# KiCad board pmi_2023.kicad_pcb (continued)
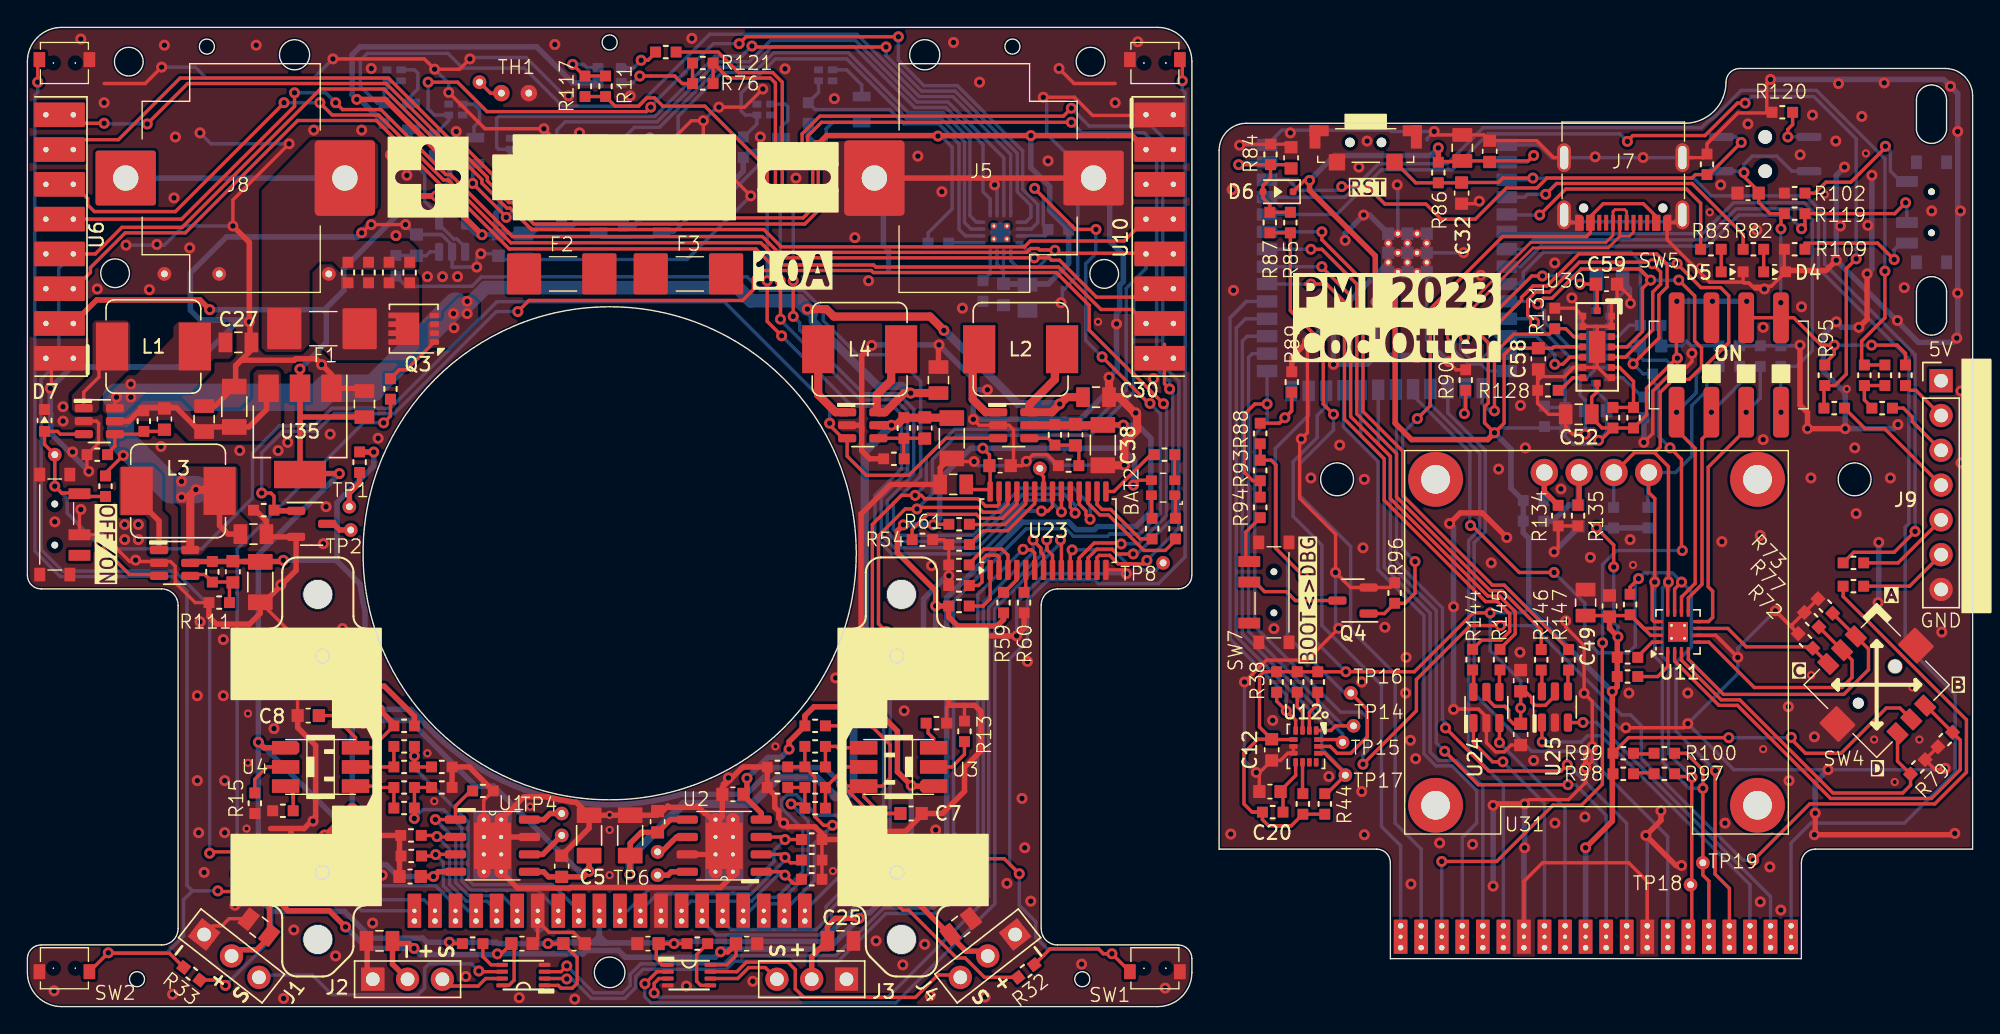
[diagram p0: board, top side]
## Routing (per net, layer and track width the routed paths; a pad name or vN(x,y) marks a point on that pad's centre or on a via; arc(x,y) is an arc through that point) (continued)
+5V: length 164.1
  Top w0.25: C21.1 51.72,3.72 51.05,3.05 U17.8 ; v1(34.3,3.85) 34.58,3.85 35.53,4.8 35.53,1.93 35.15,1.55 U21.8
  Top w0.4: v1(28.22,4.25) 27.88,4.6 26.65,4.6 26.65,3.1 J2.2 ; v1(79.99,42.46) 79.97,42.47 C38.1 ; C21.1 51.12,4 v1(50.6,4) ; v1(23.7,23.4) 26.05,23.4 28.25,21.2 R29.2 ; v1(21.69,12.53) 21.75,12.53 v1(23.71,14.48) ; v1(23.22,5.82) 22.04,7 19.03,7 v1(18.3,7.72) 18.12,7.72 17.67,7.27 17.67,5.08 16.74,4.15 15.35,4.15 15.3,4.1 ; J3.2 57.25,3.65 C25.1 58.4,5.85 59,6.45 v1(60.71,6.45) ; 69.7,4.1 69.65,4.05 68.5,4.05 68.5,4.06 64.66,7.9 v1(64,7.9)
  Top w0.6: C38.1 78.47,42.45 U29.5
  Bottom w0.4: v1(79.99,42.46) 81.04,42.46 82.01,41.49 82.01,36.16 80.91,35.06 78.11,35.06 77.88,34.83 76.55,34.83 76,35.38 72.63,35.38 67.1,29.84 67.1,11 v1(64,7.9) 62.53,7.9 61.48,6.85 61.11,6.85 v1(60.71,6.45) 58.46,4.2 50.8,4.2 v1(50.6,4) 50.2,3.6 43.65,3.6 43.15,4.1 40.8,4.1 40.55,3.85 v1(34.3,3.85) 34.25,3.8 28.68,3.8 v1(28.22,4.25) 24.8,4.25 23.22,5.83 v1(23.22,5.82) ; v1(18.3,7.72) 18.3,9.07 21.69,12.46 v1(21.69,12.53) ; v1(23.7,23.4) 23.71,23.39 v1(23.71,14.48)
/boards interface/com/vbatt_mon_3.45V: length 59.1
  Top w0.25: 92.38,50.64 92.19,50.83 R85.2 R87.2 ; 92.38,50.64 92.24,50.78 ; 92.38,50.64 94.59,48.43 94.59,44 v1(95.34,43.25)
  Bottom w0.25: v1(95.34,43.25) 95.34,42.1 92.87,39.63 92.87,37.32 96.59,33.6 96.59,27.54 99.84,24.29 99.84,13.4 101.74,11.5 J49.2
/boards interface/vbatt_mon_3.45V: length 56.5
  Top w0.25: R65.2 26.5,43.12 v1(26,42.62) ; v1(15.31,9.7) 19.25,9.7 v1(19.7,9.25)
  Bottom w0.25: J50.2 28.95,7.8 24.8,7.8 24.05,8.55 20.4,8.55 v1(19.7,9.25) ; v1(26,42.62) 24.53,42.62 15.31,33.41 v1(15.31,9.7)
  Bottom w0.4: J50.2 J50.2
/power_supply/P3V9: length 14.5
  Top w0.4: 17.45,45.55 17.45,43.6 16.17,42.33 12.28,42.33 10.85,43.75 8.4,43.75 7.4,42.75 U28.5
GND: length 590
  Top w0.25: U23.14 79.94,31.89 v1(80.21,31.61) ; C8.2 19.72,26.8 C43.2 ; R7.2 33.31,15.06 U1.9 ; 80.06,39.53 v1(80.08,39.54) ; 5.6,67.4 8.6,67.4 v1(9.8,68.6) ; C2.2 50.72,16.26 v1(51.17,16.71) ; v1(15,57) 15,58.9 v1(19.1,63) ; v1(74.15,66.4) 76.43,66.4 77.75,65.07 81.6,65.07 ; 4.25,40.3 R107.2 ; R107.2 5.2,41.15 5.2,42.6 5.05,42.75 U28.2 ; R107.2 4.35,39.22 v1(4.48,39.08) ; 67.25,22 67.1,21.85 R14.2 ; R54.2 66.91,34.09 R55.2 v1(67.26,31.46) 67.25,31.45 R56.2 ; 79.4,67.4 76.4,67.4 v1(75.3,68.5) ; 58,9 58,12 ; 16.33,6.42 14.72,6.42 14.2,5.9 13.5,5.9 ; v1(69.1,39.8) 67.7,39.8 C44.2 ; 41.07,4.6 C15.2 39.86,5.42 38.08,5.42 J50.7 37.25,4.93 ; 46.28,6.47 46.25,6.5 ; v1(27.6,57.1) v1(25.1,57.1) 25,57.1 v1(24.4,56.5) ; R111.2 12.25,29.5 10.79,30.96 10.79,32.16 10.45,32.5 7.46,32.5 5.51,34.45 SW8.B 3.8,35.99 ; 17.75,14.5 17.7,14.5 ; v1(69.05,42.89) 69.48,42.45 U29.2 71.65,42.45 71.98,42.12 71.98,39.7 C13.2 72.6,39.5 73.4,40.3 74.45,40.3 R108.2 ; v1(53.68,67) 52.36,65.68 v1(50.48,65.68) ; 15.2,46.75 15.2,45.72 ; v1(32.3,69.2) 31.55,68.45 v1(29.72,68.45) 28.97,69.2 v1(22.3,69.2) ; R13.2 68.4,22 ; v1(30.75,66.75) 33.4,64.1 v1(37.7,64.1) 38.25,63.55 42.33,63.55 43.71,62.17 v1(44.79,62.17) 45.95,62.17 48.47,64.69 v1(49.34,64.69) 49.34,62.66 v1(52.8,59.2) ; 1.75,47.34 1.75,45.22 v1(1.67,45.15)
  Top w0.4: R113.2 61.49,40 60.9,40.59 60.9,42.07 ; C40.2 66.5,48.28 v1(66.54,48.32) ; 62.62,60.5 78.62,60.5 ; 60.9,42.07 60.9,47.55 v1(61.63,48.28) ; 60.9,42.07 60.9,42.29 60.74,42.45 U34.2 ; 51.5,9.59 50.6,8.7 39.62,8.7 39.58,8.66 35.77,8.66 U1.9 ; v1(65.41,25.24) 67.25,23.4 67.25,22 69.15,22 69.6,21.55 69.6,18.66 68.41,17.47 68.41,16.97 ; v1(65.41,25.24) 64.77,24.6 62.73,24.6 60.85,26.48 60.85,35.97 63.01,38.13 C14.2 66.63,39.33 67.32,40.03 C44.2 ; v1(65.41,25.24) 67.24,27.07 v1(72.21,27.07) 72.75,27.61 R60.2 ; v1(15,57) 16.2,55.8 v1(16.2,50) 16.25,49.95 16.25,47.85 15.2,46.8 ; U1.7 U1.9 ; 24.6,44.65 24.1,45.15 U35.1 22.2,46.15 21.05,47.3 19.58,47.3 19.48,47.2 15.6,47.2 15.2,46.8 ; R111.2 13.25,28.47 13.79,27.93 16.21,27.93 17,28.72 C43.2 17.28,29.53 19.61,31.85 Q1.2 17.65,34.3 C39.2 17.45,35.46 16.66,36.25 R5.2 ; C4.2 46.38,14.28 46.75,14.65 46.85,14.55 48.8,14.55 48.9,14.65 49.44,14.1 49.53,14.1 50.23,13.41 50.72,13.9 50.72,16 52.14,17.42 52.2,17.46 52.27,17.5 R23.2 R18.2 54.55,15.45 54.55,14.55 54.85,14.25 54.85,13.75 55.47,13.13 57.48,13.13 58,12.61 58,12 R4.2 v1(59.7,12.2) 60.3,12.8 64.1,12.8 65.28,13.97 C7.2 66.78,14.1 68.41,15.72 68.41,16.97 ; R7.2 32.25,17.5 R21.2 R27.2 ; C24.2 24.8,4.75 24.8,2.41 J2.1 ; 68.41,16.97 68.43,16.99 ; C5.2 41,13.03 39,11.03 C3.2 ; C5.2 40.07,14.91 39.69,14.96 38.84,15.11 37.99,15.3 37.92,15.32 36.25,15.32 U1.9 ; C5.2 C6.2 45.95,13.97 46.08,14.1 ; 15.2,46.8 15.2,45.38 13.67,43.85 C45.2 ; 19.25,13 20.2,13 21.04,13.84 21.04,19.06 19.72,20.38 C8.2 ; 19.25,13 19.25,12.35 19.83,11.78 22.14,11.78 22.86,12.5 R1.2 27.16,12.41 C1.2 27.15,9.49 ; 19.25,13 17.75,13 ; 40.19,63.55 40.24,63.5 v1(40.24,62.1) ; 50.23,10.87 49.98,11.12 48.16,11.12
  Top w0.6: C38.2 80.06,39.53 ; v1(78.95,45.95) C30.2 79.69,44.5 81,43.19 81,42.1 80.08,41.18 v1(80.08,39.54)
  Bottom w0.25: v1(72.21,27.07) 72.21,29.51 74.31,31.61 v1(80.21,31.61) ; v1(75.44,51.4) 75.54,51.5 75.54,52.25 ; v1(74.15,66.4) 74.4,66.15 74.4,63.72 77.25,60.88 78.25,60.88 ; v1(7.2,55.6) 10,55.6 11.4,57 v1(15,57) ; 75.54,52.25 75.54,52.52 ; 75.54,52.25 76.68,53.38 76.68,59.35 J5.1 ; v1(49.34,64.69) 50.33,65.68 v1(50.48,65.68) ; v1(29.72,68.45) 30.75,67.42 v1(30.75,66.75) ; 31,55.6 31,54 v1(32.8,54) 32.8,54.67 v1(33.1,54.97) 32.93,54.97 34.2,54.97 34.63,54.55 48.15,54.55 v1(52.8,59.2) ; 31,55.6 U5.2 ; 31,55.6 30.22,56.38 ; 70.78,57.92 70.78,59.83 v1(70.6,60) ; 55.38,68.55 55.1,68.28 ; 22.4,69.2 v1(22.3,69.2) 20.93,67.83 13.02,67.83 12.25,68.6 v1(9.8,68.6) ; v1(32.3,69.2) 32.4,69.3 36.4,69.3 39.2,66.5 v1(39.5,66.5) ; v1(27.6,57.1) 28.32,56.38 30.22,56.38 ; 77.78,59.66 78.62,60.5 ; 30.22,56.38 C9.2 ; v1(80.08,39.54) 75.02,39.54 74.37,40.19 73.29,40.19 v1(72.91,39.81) 72.6,39.5 69.4,39.5 v1(69.1,39.8) ; v1(19.1,63) 13.4,63 v1(12.6,63.8)
  Bottom w0.4: v1(70.07,45.04) 69.05,45.04 ; 69.05,45.04 v1(69.05,42.89) 76.84,42.89 78.95,45 v1(78.95,45.95) 79.54,46.55 79.54,47.51 79.5,47.55 79.5,50.62 79.72,50.84 79.72,52.66 80,52.93 80,54.88 79,55.88 79,60.12 78.62,60.5 ; 69.05,45.04 69.05,45.81 v1(66.54,48.32) 61.67,48.32 v1(61.63,48.28) ; v1(65.41,25.24) 65.41,29.76 67.11,31.46 v1(67.26,31.46) ; 46.28,6.47 46.25,6.5 ; 62.62,60.5 62.48,60.36 62.48,55.59 62.85,55.22 62.85,53.82 ; v1(4.48,39.08) 1.7,41.87 1.7,43.3 1.67,43.33 1.67,45.14 v1(1.67,45.15) 3.23,46.7 12.02,46.7 15.32,50 v1(16.2,50) 16.06,50.14 12.61,50.14 11.9,50.85 11.9,53.57 14.53,56.2 24.1,56.2 v1(24.4,56.5)
  Bottom w0.6: J50.7 37.25,5.7 37.4,5.7
  vias: v1(2,35.4) v1(1.95,1.15) v1(2.6,43.8) v1(2.6,42.75) v1(3.3,40.5) v1(3.9,70.65) v1(3.9,36.3) v1(5.1,52.4) v1(5.6,66) v1(7.1,35.2) v1(7.1,34.1) v1(7.9,32.6) v1(8.1,35.2) v1(8.1,34.1) v1(8.9,52.35) v1(9.45,55.65) v1(9.75,40.9) v1(10,70.2) v1(10.6,0.9) v1(10.7,59.05) v1(10.8,63.5) v1(11.85,55.4) v1(12.4,22.7) v1(12.4,16.5) v1(12.5,12.7) v1(12.6,28.1) v1(12.9,9.8) v1(14.3,26.8) v1(14.3,22.7) v1(14.4,16.5) v1(14.4,12.7) v1(15.15,7.4) v1(15.5,40.6) v1(16.7,70.2) v1(18,20.3) v1(17.95,10.5) v1(18.1,26.8) v1(18.3,40.6) v1(18.5,30.8) v1(18.7,0.6) v1(19,41.2) v1(19.45,5.6) v1(20.85,13.55) v1(20.9,64) v1(21.47,46.88) v1(21.6,33.8) v1(21.8,36.5) v1(22.1,41.8) v1(22.5,3.7) v1(22.6,10.22) v1(23,27.6) v1(23.7,9.35) v1(24.4,64) v1(25.1,68.5) v1(25.2,6.1) v1(25.4,12.5) v1(25.6,41.5) v1(25.9,9.6) v1(26.5,62.2) v1(26.7,59.3) v1(26.9,56.3) v1(27.7,60.7) v1(29.2,53.3) v1(30.3,53.3) v1(31.3,63.9) v1(31.4,53.3) v1(32,2.2) v1(35.7,61.3) v1(35.9,0.65) v1(38.5,70.25) v1(39.95,0.55) v1(40.3,63.8) v1(40.37,58.91) v1(44,66.5) v1(44.9,58.9) v1(45.44,63.43) v1(48.1,1.5) v1(48.5,70.7) v1(49.1,60.9) v1(52.95,1.85) v1(53.5,63.5) v1(55.2,13.4) v1(55.3,68.47) v1(56.1,60.5) v1(58.9,66.3) v1(59,24) v1(60.4,56.15) v1(60.6,13.9) v1(61.4,53) v1(61.6,24) v1(61.95,4.8) v1(63.9,3.05) v1(64,21.6) v1(65,62.1) v1(65.5,4.55) v1(65.8,11.5) v1(65.9,0.8) v1(66,32.2) v1(66,8) v1(66.2,23.2) v1(66.3,12.9) v1(66.75,59.5) v1(67.6,70.4) v1(68.25,51) v1(68.6,26.4) v1(69,8.3) v1(69.5,67.5) v1(69.9,0.7) v1(71.5,9) v1(72.6,15.2) v1(72.8,11.6) v1(73,25.2) v1(73.24,7.7) v1(74.5,61.75) v1(76.95,3.1) v1(79.4,66) v1(79.5,49.85) v1(80.9,43.35) v1(81.05,70.45) v1(82.2,45.85) v1(83.05,1.35) v2(16,27) v2(16,13) v2(16.1,21.4) v2(16.1,17.8) v2(24.5,20.6) v2(25.5,14.9) v2(29.2,18.5) v2(29.7,15) v2(36.7,14.6) v2(42.5,14) v2(42.5,12.9) v2(42.5,9.6) v2(54.6,19) v2(58.8,9.9) v2(78.15,50)
GND_m: length 528.7
  Top w0.25: 112.56,46.37 112.86,46.67 ; 112.86,46.67 U30.A2 114.64,46.67 ; 112.86,46.67 112.19,46 110.51,46 110.24,45.72 ; 114.59,49.67 U30.C6 U30.C7 115.64,51.35 116.04,51.75 C59.2 116.09,52.75 117.01,51.83 v1(117.01,51.35) ; 114.59,49.67 U30.B4 114.59,46.72 114.64,46.67 ; 114.59,49.67 U30.A6 U30.A7 112.96,51 R131.2 ; J7.SHIELD 112.74,57.23 J7.A12 ; R78.2 R79.2 139.25,17.3 139.89,17.3 v1(139.99,17.4) ; 121.59,61.99 J7.SHIELD 122.34,61.99 R122.2 122.6,63 124.85,65.25 126.96,65.25 126.96,67.42 v1(127.24,67.7) ; v1(121.2,20.66) 120.9,20.36 v1(116.68,20.36) 116.64,20.4 ; J49.13 118.24,9.15 116.89,10.5 110.59,10.5 109.24,9.15 J49.7 ; R96.2 99.45,30.6 Q4.2 96.59,30.6 v1(95.49,31.7) ; 114.64,46.67 115.39,45.92 U30.C1 ; v1(105.98,58.81) 105.79,58.62 C32.2 ; v1(88.49,62.9) 88.49,62.8 88.66,62.97 R84.1 92.01,62.97 C33.2 ; 132.44,61.5 v1(132.64,61.3) ; 125.44,52.85 125.64,52.85 125.89,52.6 127.29,52.6 D4.C ; 125.44,52.85 125.65,52.85 126.1,52.4 v1(126.79,52.4) ; 125.44,52.85 125.29,52.85 125.24,52.9 ; 113.9,30.22 113.74,30.06 ; v1(104.1,21.7) 104.12,21.72 105.93,21.72 106.5,21.15 U24.2 106.5,19.27 107.17,18.6 107.8,18.6 108.3,19.1 C18.2 ; v1(95.72,27.62) 93.4,25.3 90.44,25.3 v1(88.84,23.7) ; v1(103.76,47.1) 103.69,47.1 104.29,46.5 R90.2 ; R109.2 128.24,55.29 128.24,53.75 ; v1(112.29,28.16) 112.29,27.71 113.63,26.37 v1(113.63,22.88) 114.22,22.29 114.22,17.93 v1(113.75,17.45) 113.75,16.38 112.49,15.11 109.6,15.11 v1(109.29,14.8) ; 123.35,27 v1(124.85,25.5) 123.24,27.11 U11.6 ; v1(95.49,31.7) 96.14,31.05 ; v1(95.49,31.7) 95.49,34.5 92.87,37.12 92.87,41.33 93.44,41.9 v1(93.44,48.55) ; v1(95.49,31.7) 95.39,31.7 95.29,31.8 ; D5.C 125.24,52.9 ; 125.24,52.9 122.79,52.9 119.69,56 J7.A1 120.23,57.23 J7.SHIELD ; 128.81,27.88 128.81,27.68 R72.2 v1(127.59,28.9) 128.71,27.78 128.81,27.88 ; 128.81,27.88 R73.2 ; U12.6 U12.7 91.99,18.5 91.46,17.97 C12.2 89.95,17.1 v1(89.7,17.1) 89.93,16.88 C20.2 ; 102.44,63.65 C35.2 106.31,63.65 106.74,63.22 110.18,63.22 111.41,61.99 J7.SHIELD ; 110.24,45.4 110.24,45.85 ; v1(117.99,41.2) 118.64,41.85 118.64,44.94 120.2,46.5 120.9,46.5 121.5,47.1 v1(121.5,47.7) ; 110.46,46 109.99,46.47 ; v1(111.44,33.2) 111.74,33.5 R134.1 R135.2 ; 110.24,46.22 110.24,44.05 111.04,43.25 C52.2 112.29,42.3 112.79,41.8 v1(113.69,41.8)
  Top w0.4: v1(120.74,10.3) 120.34,10.3 v1(118.14,12.5) 119.24,13.6 v1(119.24,14.3) ; v1(132.69,42.2) v1(129.94,42.2) 129.94,43.38 129.39,43.93 v1(129.39,48.3) ; v1(109.29,14.8) 107.09,14.8 v1(106.99,14.7) ; v1(134.29,53.5) 134.29,50.2 v1(133.69,49.6) ; v1(107.99,34.25) 106.19,36.05 104.59,36.05 v1(103.81,35.28) ; v1(132.04,54.5) 131.29,53.75 128.44,53.75 D4.C ; v1(93.44,48.55) 92.29,47.4 R89.2 ; v1(113.75,17.45) 113.75,18.5 v1(114.22,18.97) ; v1(130.5,14.12) 130.5,12.61 v1(130.44,12.55) 140.59,12.55 v1(140.69,12.65)
  Bottom w0.25: 114.39,49.67 U22.B4 114.39,46.47 113.84,45.92 U22.C1 113.34,44.65 113.71,44.28 C53.2 113.71,41.83 v1(113.69,41.8) ; 114.39,49.67 U22.A6 U22.A7 115.44,51.1 116.44,52.1 C51.2 117.01,52.42 v1(117.01,51.35) ; 114.39,49.67 U22.C6 U22.C7 ; U32.41 U32.41 ; v1(95.49,31.7) 95.49,27.85 v1(95.72,27.62) ; v1(104.84,55.05) 104.83,55.04 U32.41 U32.41 ; J7.SHIELD J7.SHIELD 111.26,61.99 110.33,62.92 U32.1 ; R127.2 119.24,48.28 C57.2 120.74,48.25 121.09,48.6 121.44,48.25 R68.2 R71.2 129.34,48.25 v1(129.39,48.3) ; v1(118.14,12.5) 118.24,12.4 J49.13 ; U22.A2 114.42,46.67 114.39,46.7 ; J7.SHIELD 112.68,57.3 120.19,57.3 120.7,57.81 J7.SHIELD ; v1(139.99,17.4) 139.89,17.3 124.56,17.3 v1(121.2,20.66) 124.85,24.31 v1(124.85,25.5) 124.85,26.16 v1(127.59,28.9) ; v1(89.7,17.1) 88.84,17.96 v1(88.84,23.7) ; v1(99.99,60) 100.04,59.95 U32.41 ; v1(103.76,47.1) 102.14,48.72 U32.41 U32.41 ; 102.17,63.28 102.17,63.38 v1(102.69,63.9) 99.55,63.9 99.45,64 91.57,64 U32.40 90.47,62.9 v1(88.49,62.9) ; v1(116.68,20.36) 116.15,20.36 v1(113.63,22.88) ; U32.41 U32.41
  Bottom w0.4: v1(132.64,61.3) 132.04,60.7 v1(132.04,54.5) 138.04,48.5 140.52,48.5 v1(140.83,48.81) 140.9,48.88 140.9,66.67 v1(140.37,67.2) 139.87,67.7 v1(127.24,67.7) ; U32.41 93.55,48.55 v1(93.44,48.55) ; v1(103.81,35.28) 104.1,34.99 v1(104.1,21.7) ; v1(134.64,60.7) 134.64,53.85 v1(134.29,53.5) ; v1(106.99,14.7) v1(106.99,8.8) ; U32.41 97.98,57.8 v1(97.54,57.8) 96.19,56.45 v1(96.19,55.95) ; v1(133.69,49.6) 132.44,49.6 v1(132.04,50) 131.09,49.05 131.09,46.4 132.69,44.8 v1(132.69,42.2) 136.24,42.2 v1(136.54,42.5) ; v1(93.94,51.25) 95.34,49.85 v1(95.34,46.9) 97.79,46.9 v1(98.44,47.55) ; U32.41 99.34,52.35 v1(98.44,51.45) v1(98.44,47.55) ; J49.7 109.24,11.55 v1(109.29,11.6) v1(109.29,14.8) ; v1(98.44,47.55) 101.24,47.55 v1(101.39,47.4) ; v1(131.44,17.3) 130.5,16.36 v1(130.5,14.12) ; v1(135.14,33.9) 135.14,29.55 v1(135.09,29.5) ; v1(111.44,33.2) 113.19,34.95 113.19,35.08 ; 117.99,41.1 v1(117.99,41.2) R124.2
  vias: v1(87.84,12.6) v1(87.94,59.65) v1(88.04,52.3) v1(90.9,20.9) v1(90.99,27.6) v1(92.19,63.8) v1(92.99,41.45) v1(93.69,38.6) v1(95,16.8) v1(95.79,41) v1(97.19,61.3) v1(97.4,23.7) v1(97.4,15.7) v1(97.49,33.5) v1(97.59,38.5) v1(97.59,12.55) v1(97.79,63.2) v1(99.09,27.7) v1(100.64,25.5) v1(100.6,22.9) v1(100.95,19.45) v1(100.99,8.95) v1(101.34,18.1) v1(103.09,11.95) v1(103.2,50.3) v1(104.1,29.2) v1(105.49,11.85) v1(106.09,53.4) v1(106.85,32.4) v1(107.39,39.25) v1(108.95,25.88) v1(108.99,43.9) v1(109.34,40.8) v1(109.95,17.97) v1(111.49,54.3) v1(111.5,13.4) v1(111.94,37.8) v1(112.74,51.75) v1(113.69,13.85) v1(114.09,32.8) v1(114.44,62.05) v1(116.9,22.9) v1(116.99,34.1) v1(117.94,62) v1(121.2,22.9) v1(123.6,60) v1(123.69,33.95) v1(123.91,13.4) v1(125.59,64.45) v1(126.24,56.7) v1(126.49,34.4) v1(126.49,7.65) v1(126.7,49.6) v1(126.7,41.4) v1(127.19,10.2) v1(127.99,7.05) v1(128.54,21.9) v1(128.59,16.5) v1(129.4,62.2) v1(129.5,51.1) v1(130.19,38.6) v1(130.3,65.1) v1(130.44,19.7) v1(132,63.2) v1(132.2,67.4) v1(132.34,57) v1(133.39,40.8) v1(133.49,36) v1(133.9,65) v1(134.34,57.05) v1(135.54,67.45) v1(135.99,38.6) v1(136.5,50.1) v1(137,52.5) v1(139,58.1) v1(139.74,27.35) v1(140.9,63.9) v1(140.9,52.1) v1(141.1,58.1) v1(141.14,44.95) v1(141.14,39.7) v2(117.2,32.25) v2(122.1,54) v2(122.8,58) v2(126.7,18.8) v2(130.2,24.2) v2(131.2,59.3) v2(132.8,45.1) v2(134.2,62.3) v2(134.8,19.5) v2(136.3,16.4) v2(137.6,23.3) v2(138.1,19.5)
+BATT: length 136.3
  Top w0.25: v1(7,40.25) 5.7,38.95 R114.1 ; Q3.1 27.67,46.5 27.15,46.5 R65.1 26.55,45.85 26.6,45.9 ; U28.6 6.39,44.1 6.5,44.21 v1(6.5,44.5)
  Top w0.4: 14.03,37.75 14.03,35.12 14.65,34.5 C39.1
  Top w0.6: v1(66.9,49.38) 65.89,50.39 58.86,50.39 58.32,50.93 v1(56.93,50.93) ; v1(64.48,44.8) 64,44.8 62.6,43.4 U34.6 62,43.51 62,44.67 63.05,45.72 63.05,47.28 L4.1 63.78,47.36 64.48,46.65 ; 11.89,33.45 11.89,37.34 v1(12.3,37.75) 14.03,37.75 ; L2.1 75,47.47 75,45.8 73.14,43.94 U29.6 74.78,43.4 75.88,44.5 C30.1 77.25,44.7 ; 64.66,44.8 C40.1
  Bottom w0.6: v1(66.9,49.38) 66.94,49.38 72.32,44 v1(75.35,44) ; v1(6.5,44.5) 6.79,44.21 ; 57.32,50.58 57.32,50.05 62.06,45.32 63.81,45.32 64.33,44.8 v1(64.48,44.8) ; v1(56.93,50.93) 56.97,50.93 ; 31.25,51.25 32.2,51.25
  Bottom w0.8: 56.97,50.93 57.32,50.58
  Bottom w1: v1(56.93,50.93) 56.32,51.54 52.81,51.54 51.85,52.5 33.45,52.5 32.2,51.25
  Bottom w1.8: 31.25,51.25 25.15,45.15
  Bottom w2: 6.79,44.21 6.79,41.46 10.5,37.75 v1(12.3,37.75) ; v1(6.5,44.5) 6.52,44.48 21.22,44.48 21.88,45.15 25.15,45.15
  vias: v1(7.55,45.45) v1(7.55,44.5) v1(11.25,38.35) v1(11.25,37.2) v1(31.1,50.6) v1(31.14,49.56) v1(32.1,51.5) v1(32.1,50.6)
/actuators//reset_tof_3v3: length 134.3
  Top w0.25: v1(80.72,33.05) 80.72,33.05 80.72,33.04 79.55,33.04 79.19,33.4 78.05,33.4 77.43,32.77 U23.12 ; 83,48.36 83,45.47 v1(83.38,45.1) ; v1(8.75,64.45) 11.7,67.4 26.19,67.4 31.08,62.51 31.62,62.51 33.57,60.56 33.57,60.29 35.16,58.71 35.4,58.71 36.97,57.14 56.74,57.14 57.72,58.12 57.72,61.82 56.95,62.6 56.95,63.56 57.96,64.57 v1(76.2,64.57) ; v1(5.6,64.5) 4,64.5 3.38,65.12 1.75,65.12
  Bottom w0.25: v1(76.2,64.57) 76.97,63.8 81.53,63.8 82.43,62.9 82.43,46.58 83.38,45.63 v1(83.38,45.1) 83.6,44.88 83.6,35.65 81,33.05 v1(80.72,33.05) ; v1(5.6,64.5) 5.65,64.45 v1(8.75,64.45)
/actuators/enable_tof_3v3: length 133.5
  Top w0.25: v1(76.2,65.6) 75.62,65.02 57.85,65.02 56.55,63.72 56.55,62.43 57.32,61.65 57.32,58.3 56.82,57.8 56.82,57.79 56.62,57.59 37.08,57.59 35.56,59.11 35.32,59.11 33.97,60.46 33.97,60.72 31.79,62.91 31.25,62.91 26.36,67.8 11.15,67.8 6.65,63.3 3.42,63.3 2.7,62.58 1.75,62.58 ; v1(81.72,32.58) 81.46,32.32 80.53,32.32 80.51,32.34 79.62,32.34 79,32.95 78.24,32.95 78.07,32.78 U23.13
  Bottom w0.25: v1(81.72,32.58) 84.05,34.92 84.05,45.66 82.88,46.84 82.88,63.47 82.05,64.3 77.5,64.3 v1(76.2,65.6)
/actuators/led_RGB_b_3v3: length 65.5
  Top w0.25: U23.21 74.82,36.53 74.49,36.19 v1(74.02,36.19) ; v1(54,53) 54,50.03 v1(55.05,48.98) ; R117.1 R11.1 42.9,65.75 44.62,65.75 45.22,66.35 45.78,66.35 46.38,65.75 49.45,65.75 54,61.2 v1(54,58.81)
  Bottom w0.25: v1(54,53) v1(54,58.81) ; v1(74.02,36.19) 72.7,36.19 69.58,33.06 63.09,33.06 61.87,34.28 61.87,37.33 63.8,39.26 63.8,43.25 63.2,43.84 60.19,43.84 v1(55.05,48.98)
/actuators/led_RGB_g_3v3: length 62.7
  Top w0.25: v1(54.95,53) 54.95,52.24 54.97,52.22 v1(54.97,50.19) ; R76.1 R121.1 51.15,67.8 54.24,67.8 54.6,67.44 54.6,59.53 54.95,59.18 v1(54.95,58.78) ; U23.20 v1(75.47,36.12)
  Bottom w0.25: v1(54.97,50.19) 54.97,50.14 60.82,44.3 63.39,44.3 64.25,43.43 64.25,39.08 62.32,37.15 62.32,34.47 63.28,33.51 69.39,33.51 72.84,36.96 74.64,36.96 v1(75.47,36.12) ; v1(54.95,53) v1(54.95,58.78)
/actuators/led_RGB_r_3v3: length 65.7
  Top w0.25: v1(76.48,36.03) 76.48,36.1 76.12,36.45 U23.19 ; v1(55.9,58.8) 55.1,59.6 55.1,67.5 54.4,68.2 51.92,68.2 50.42,69.7 47.45,69.7 ; v1(55.9,53) v1(55.9,50.4)
  Bottom w0.25: v1(55.9,50.4) 56.38,49.92 56.38,49.4 61.03,44.75 63.57,44.75 64.7,43.62 64.7,38.89 62.77,36.96 62.77,34.66 63.46,33.96 69.2,33.96 72.66,37.41 75.69,37.41 76.48,36.62 v1(76.48,36.03) ; v1(55.9,53) v1(55.9,58.8)
/actuators/led_vbatt_B: length 6
  Top w0.25: R62.2 81.23,34.15 79.08,36.3 78.44,36.3 78.07,36.66 U23.16
/actuators/led_vbatt_G: length 4.6
  Top w0.25: U23.15 79.31,37.61 82,40.3 R63.2
/actuators/led_vbatt_R: length 8.9
  Top w0.25: U23.17 77.43,36.75 78.27,35.9 78.91,35.9 81.5,33.31 83.06,33.31 83.75,34
/actuators/line_led_pwm_3v3: length 74
  Top w0.25: U23.18 76.78,36.69 77.27,36.19 77.27,35.88 v1(77.57,35.58)
  Bottom w0.25: v1(77.57,35.58) 77.57,36.64 76.34,37.86 72.47,37.86 69.02,34.41 63.65,34.41 63.22,34.84 63.22,36.77 65.2,38.76 65.2,45.65 63.24,47.61 60.58,47.61 58.1,50.09 58.1,50.86 56.64,52.31 53.51,52.31 52.55,53.28 33.13,53.28 32.45,52.6 27.65,52.6 R31.1
/actuators/scl_3v3: length 174.1
  Top w0.25: v1(18.73,66) 18.73,65.98 10.8,58.05 4.89,58.05 4.4,58.54 4.4,59 3.36,60.04 1.75,60.04 ; v1(62.69,27.38) 62.12,27.95 62.12,34.38 64.08,36.34 v1(64.94,36.34) 65.05,36.45 69.4,36.45 69.75,36.1 70.99,36.1 71.57,36.69 U23.26 ; 81.66,52.43 81.03,51.8 78.04,51.8 75.34,54.5 74.75,54.5 74.57,54.67 v1(73.5,54.67) 54.64,54.67 53.54,55.78 35.28,55.78 34.7,56.36 34.7,56.37 30.71,60.36 30.37,60.36 25.63,65.1 22.25,65.1 v1(21.35,66)
  Top w0.4: 1.75,60.04 2.17,60.04
  Bottom w0.25: v1(18.73,66) v1(21.35,66) ; v1(64.94,36.34) 66.06,37.47 66.06,39.97 67.81,41.71 77.61,41.71 80.75,44.85 80.75,51.52 U10.6 ; J50.15 50.28,5.22 57.76,5.22 58.7,6.17 58.7,7.15 62.97,11.42 62.97,24.99 62.69,25.27 v1(62.69,27.38) ; U7.12 73.5,54.7 v1(73.5,54.67)
  Bottom w0.4: J50.15 J50.15
/actuators/sda_3v3: length 175.5
  Top w0.25: v1(19.5,66.72) 19.5,65.74 11.26,57.5 1.75,57.5 ; v1(61.93,26.58) 61.93,27.2 61.68,27.45 61.68,35.2 63.8,37.33 v1(64.8,37.33) 65.25,37.33 65.5,37.08 69.41,37.08 69.94,36.55 70.8,36.55 70.93,36.67 U23.27 ; v1(22.5,66) 23,65.5 25.8,65.5 30.54,60.76 30.87,60.76 35.1,56.53 35.1,56.53 35.4,56.22 53.65,56.22 54.8,55.08 72.95,55.08 73.22,55.35 73.78,55.35 73.88,55.25 74.97,55.25 v1(75,55.22) 75.21,55.01 81.6,55.01 U10.5
  Bottom w0.25: v1(61.93,26.58) 61.93,24.85 62.5,24.28 62.5,11.52 58.3,7.32 58.3,6.33 57.59,5.62 51.38,5.62 J50.16 ; v1(75,55.22) 75,55.22 73.78,54 72.25,54 71.78,54.47 U7.13 ; v1(22.5,66) 21.78,66.72 v1(19.5,66.72) ; v1(64.8,37.33) 65.62,38.14 65.62,40.08 67.69,42.16 77.36,42.16 80.2,45 80.2,52.45 81.65,53.9 U10.5
  Bottom w0.4: J50.16 J50.16
/actuators/servo_pwm_0_3v3: length 63.5
  Top w0.25: U21.3 38.95,2.55 v1(39.37,2.97) ; v1(72.67,33.39) 72.72,33.35 73.3,33.35 73.53,33.12 U23.6
  Bottom w0.25: v1(39.37,2.97) 41.35,1 43.45,1 44,1.55 44,2.35 44.77,3.12 50.86,3.12 51.46,3.72 59.03,3.72 62.5,7.2 66.15,7.2 69.37,10.42 69.37,30.09 v1(72.67,33.39)
/actuators/servo_pwm_0_5V: length 20.2
  Top w0.25: U21.6 33,2.55 v1(32.95,2.6)
  Bottom w0.25: v1(32.95,2.6) 32.43,3.12 29.32,3.12 29,2.8 29,1.36 28.52,0.88 22.22,0.88 20.8,2.3 17.1,2.3
/actuators/servo_pwm_1_3v3: length 64.9
  Top w0.25: U23.7 74.18,32.97 73.97,33.17 73.97,33.48 73.4,34.05 v1(73.4,34.07) ; v1(39.37,2.02) 39.34,2.05 U21.2
  Bottom w0.25: v1(73.4,34.07) 73.4,33.17 69.77,29.53 69.77,10.25 66.32,6.8 62.67,6.8 59.19,3.32 51.62,3.32 51.03,2.72 44.94,2.72 44.4,2.18 44.4,1.38 43.62,0.6 41.17,0.6 39.75,2.02 v1(39.37,2.02)
/actuators/servo_pwm_1_5V: length 4.8
  Top w0.25: U21.7 33.45,2.05 32.9,1.5 30.79,1.5 J2.3
/actuators/servo_pwm_2_3v3: length 59.6
  Top w0.25: U17.3 46.1,2.05 45.75,1.7 v1(45.75,1) ; U23.8 74.82,32.96 74.43,33.36 74.43,34.06 v1(74.4,34.08)
  Bottom w0.25: v1(74.4,34.08) 74.4,33.4 70.17,29.17 70.17,8.05 62.82,0.7 46.05,0.7 v1(45.75,1)
/actuators/servo_pwm_2_5V: length 5.8
  Top w0.25: U17.6 51.85,2.05 52.65,2.85 53.86,2.85 54.91,1.8
/actuators/servo_pwm_3_3v3: length 62.5
  Top w0.25: v1(75.4,34.08) 75.47,34 U23.9 ; U17.2 45.95,2.55 v1(45.07,1.67)
  Bottom w0.25: v1(75.4,34.08) 75.4,33.84 70.62,29.05 70.62,7.5 63.39,0.28 45.52,0.28 45.07,0.72 v1(45.07,1.67)
/actuators/servo_pwm_3_5V: length 20.9
  Top w0.25: 67.9,2.3 66.45,2.3 64.82,0.68 56.68,0.68 56.05,1.3 56.05,2.7 55.5,3.25 52.48,3.25 51.78,2.55 U17.7
/actuators/servos_nOE: length 6.9
  Top w0.25: U23.23 73.53,36.73 71.55,34.75 69.77,34.75 R55.1
/actuators/u23_unused_led4: length 9.1
  Top w0.25: v1(76.26,33.35) 76.12,33.21 U23.10
  Bottom w0.25: v1(76.26,33.35) 79.25,33.35 80.26,32.34 80.41,32.34 80.42,32.33 80.95,32.33 81.42,31.86 82.36,31.86 TP8.1 82.8,32.4
/actuators/u23_unused_led15: length 1.8
  Top w0.25: TP7.1 73.95,39.25 73.95,38.92 74.18,38.7 U23.22
/boards interface/com/boot/dl_select_3v3: length 120.4
  Top w0.25: R94.1 R93.2 89.44,38.4 88.84,39 88.84,43.25 89.59,44 v1(90.49,44) ; R140.1 132.54,29.95 141.54,20.95 141.54,17.11 139.22,14.8 130.1,14.8 v1(126,10.7) ; v1(97.49,17.7) 101.39,21.6 101.39,23.89 105.32,27.82 v1(107.53,27.82)
  Bottom w0.25: v1(107.53,27.82) 109.84,27.82 116.36,21.3 117.02,21.3 117.8,20.52 117.8,18.11 125.21,10.7 v1(126,10.7) ; U32.27 v1(90.49,44) 90.49,42.7 89.59,41.8 89.59,27.77 95.86,21.5 97.4,21.5 97.8,21.1 97.8,18.7 97.49,18.39 v1(97.49,17.7)
/boards interface/com/ctc_left: length 90
  Bottom w0.25: U32.6 108.12,56.44 122.27,56.44 124.54,58.7 129.69,58.7 130.74,57.65 130.74,53.9 137.34,47.3 137.34,35.28 137.06,35 137.06,26.42 140.71,22.78 140.71,17.1 137.01,13.4 130.19,13.4 128.74,11.95 J49.20
/boards interface/com/ctc_right: length 44.1
  Bottom w0.25: J49.1 100.24,11.75 98.84,13.15 98.84,23.47 94.49,27.82 94.49,33.7 92.39,35.8 92.39,39.79 94.14,41.54 94.14,43.16 94.79,43.81 U32.24
/boards interface/com/dir_left: length 44.4
  Bottom w0.25: J49.5 106.24,16.09 104.35,17.97 103,17.97 102.39,18.59 102.39,28.74 99.04,32.09 99.04,39.99 97.33,41.69 U32.22
/boards interface/com/dir_right: length 51
  Top w0.25: v1(103.51,20.35) 106.66,17.2 111.95,17.2 v1(112.4,17.65)
  Bottom w0.25: U32.20 99.94,45 99.94,32.46 103.29,29.11 103.29,20.95 103.51,20.72 v1(103.51,20.35) ; v1(112.4,17.65) 112.47,17.65 116.74,13.39 J49.12
/boards interface/com/emergency_stop_3v3: length 33.9
  Top w0.25: v1(137.1,58.7) 136.3,57.9 R119.2 129.75,57.05 v1(129.5,56.8)
  Bottom w0.25: v1(137.1,58.7) 137.19,58.61 SW3.B ; v1(129.5,56.8) 128.5,57.8 124.91,57.8 122.65,55.53 110.47,55.53 108.97,54.03 U32.8
/boards interface/com/EN_ESP32_3v3: length 67.6
  Top w0.25: v1(137.79,34.7) 136.26,33.17 133.31,33.17 R139.1 ; 110.06,60.33 v1(109.89,60.5) 107.7,60.5 107.38,60.17 C32.1 104.66,60.15 R86.2 101.34,60.15 99.84,61.65 SW10.2 ; 102.96,60.17 102.99,60.2
  Bottom w0.25: U32.3 109.77,60.38 v1(109.89,60.5) 121.61,60.5 122.91,59.2 129.82,59.2 131.19,57.84 131.19,54.2 137.79,47.6 v1(137.79,34.7)
/boards interface/com/esp32_dbg_rx_3v3: length 69.5
  Top w0.25: v1(133.49,54.6) 132.76,53.88 132.76,46.17 131.94,45.35 131.09,45.35 ; 131.04,45.3 131.14,45.2 R136.1 ; v1(125.38,65.97) 124.82,65.97 122.45,63.6 117.19,63.6 116.79,63.2 v1(116.79,63.17)